# Altium PCB OBC Development Board.PcbDoc (part 3 of 3)
Units mil, origin at the board's own origin, x right, y up, seen from the top; angles counter-clockwise.
Board outline 3775.59 x 3550 mil, 6 copper layers (L1 Top Layer, L2 GND, L3 Signal, L4 Signal, L5 GND, L6 Bottom Layer), stack 61.638 mil thick; 189 components, 153 nets, 883 pads, 1126 vias.
Unrouted connection lines stored in the file: 1.
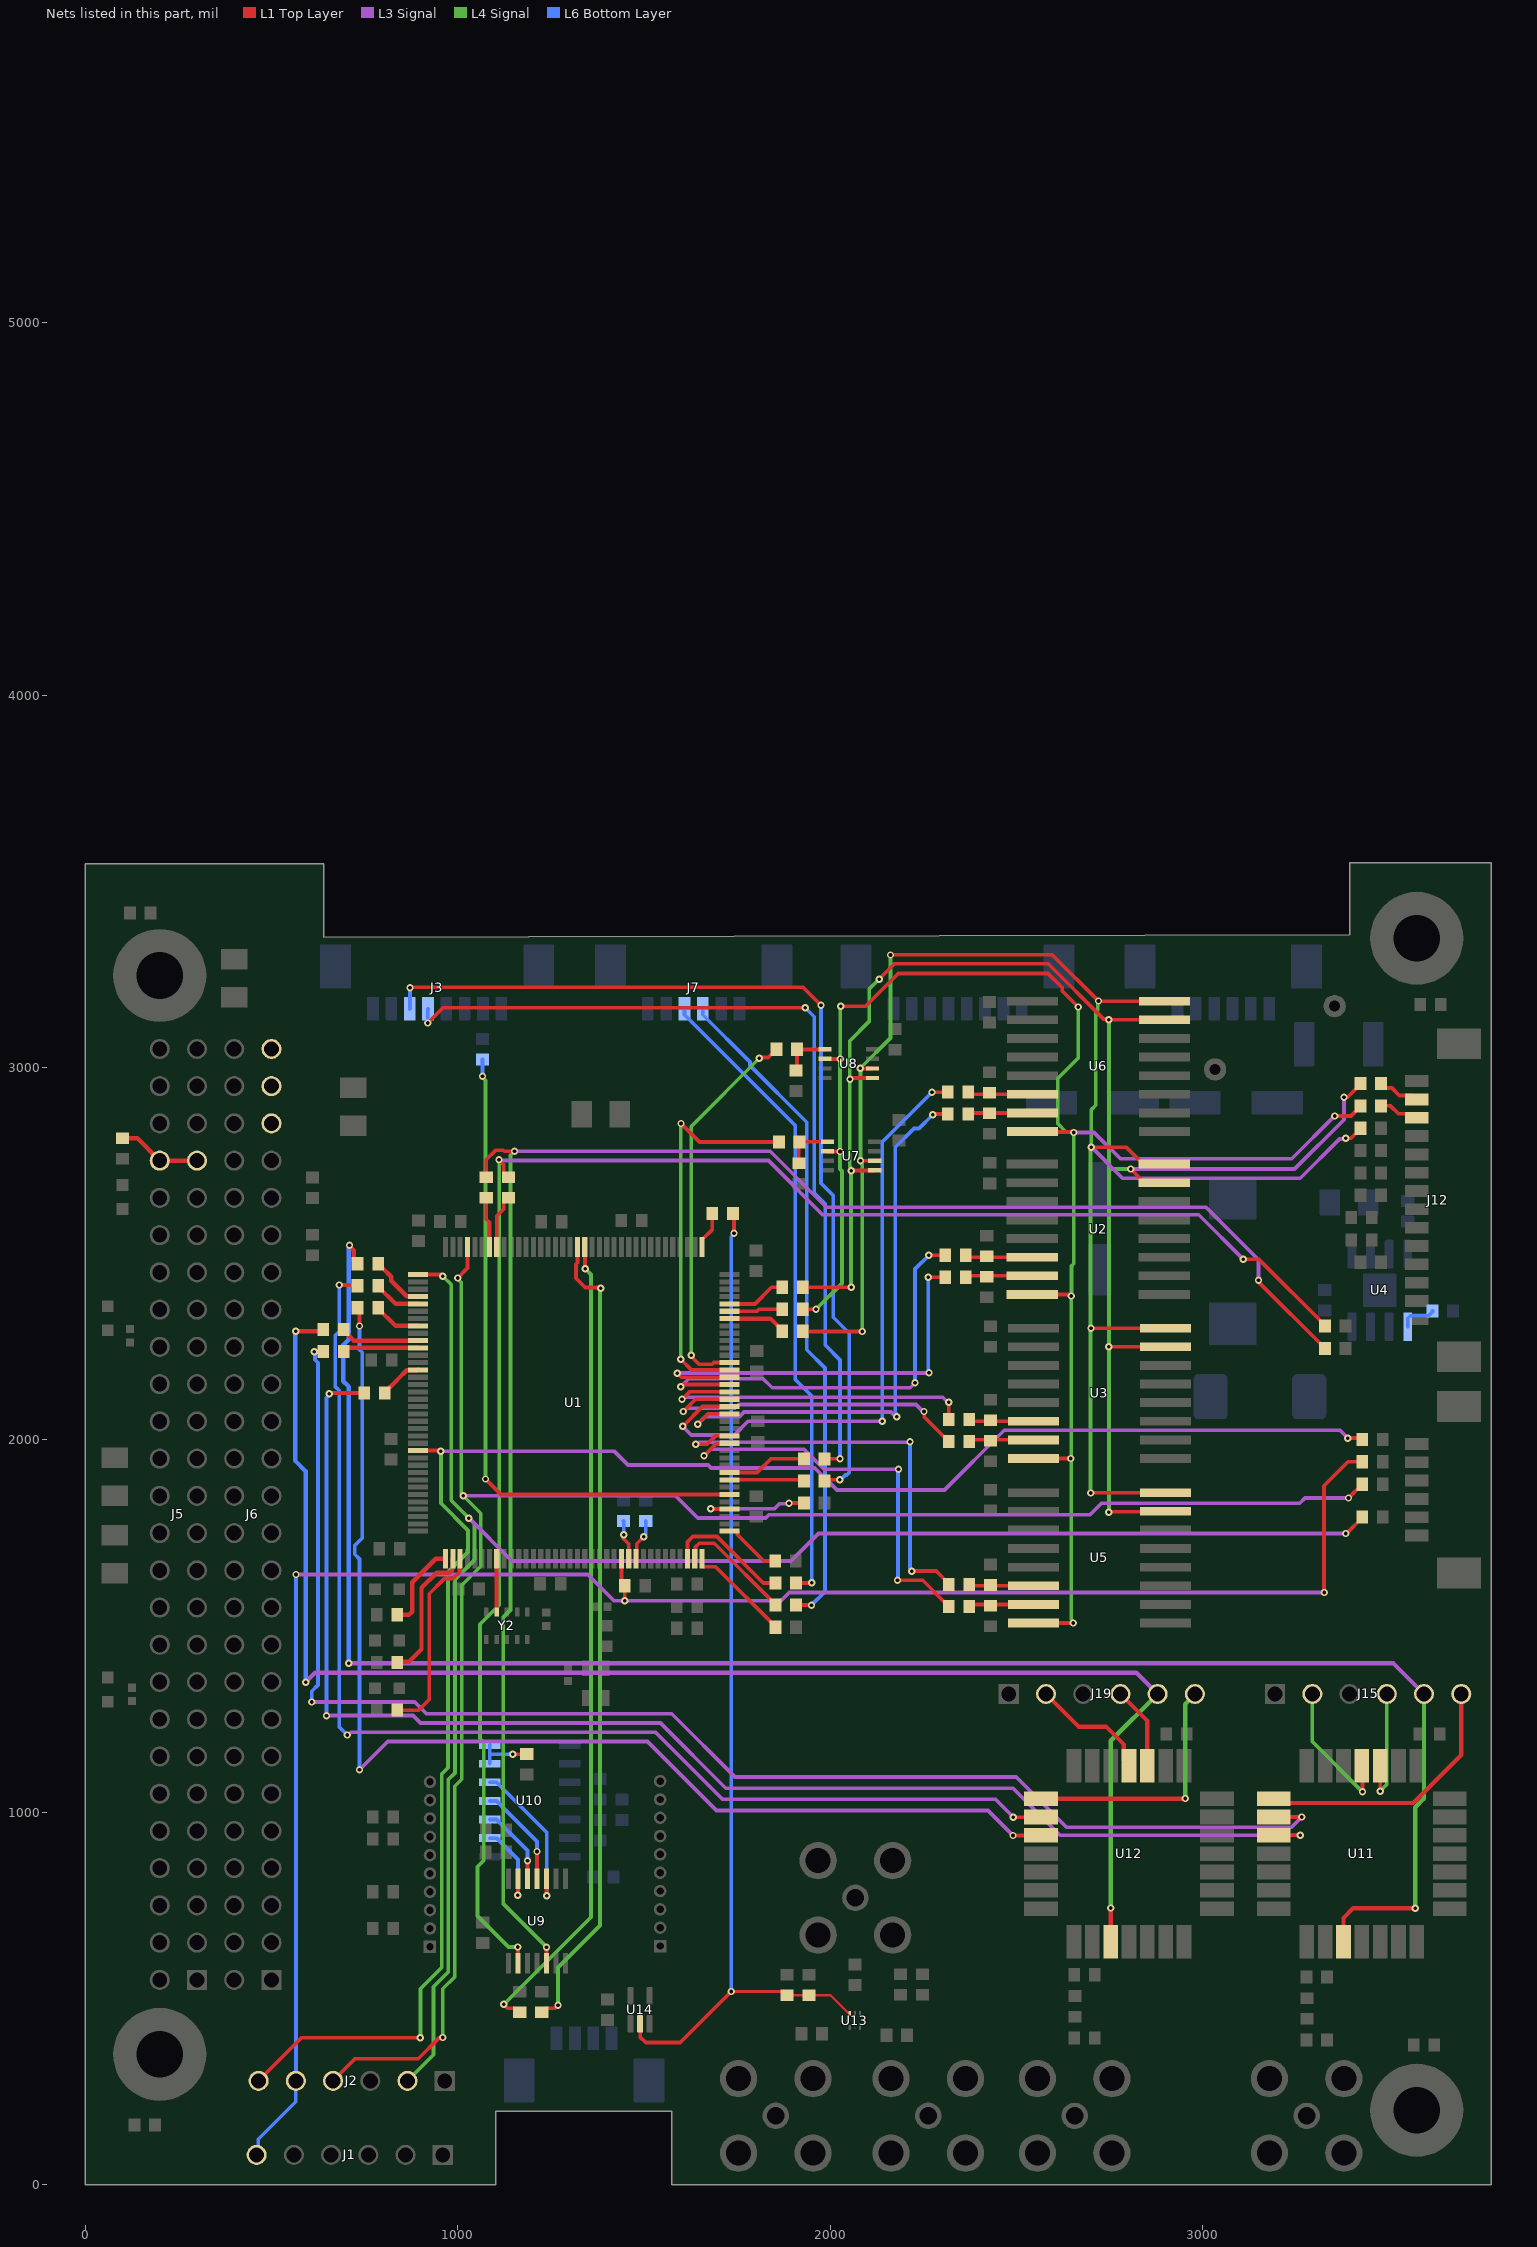
[diagram p7: the nets of this part, all layers, seen from the top]

## Via types
v1: diameter 19.68, hole 9.84, L1 Top Layer to L6 Bottom Layer, tented both sides, 1126 vias

## Nets (pads, with @x,y where several pads share a name; then routed paths per layer and width w, separated by ;. In a path a pad name is that pad's centre, name@x,y a point inside that pad or via, vN(x,y) a via of type N, cw(c..) or ccw(c..) an arc to the next point about the centre after c; other vN are vias at no path point) (continued)
NetJ12_12: J12.12 R34.1 | length 108.9
  L1 Top Layer w10: R34.1@3479.49,2897.17 3505.39,2897.17 3526.5,2876.06 3564.41,2876.06 J12.12@3575.16,2865.32
NetJ12_13: J12.13 R36.1 | length 114.2
  L1 Top Layer w10: R36.1@3479.49,2957.17 3479.49,2955.63 3490.24,2944.88 3508.86,2944.88 3528.46,2925.28 3564.41,2925.28 J12.13@3575.16,2914.53
NetR1_2: R1.2 U1.1 | length 238
  L1 Top Layer w11.81: R1.2@838.1,1530.44 869.44,1530.44 878,1539 878,1618 941.29,1681.29 U1.1@967.37,1681.29
NetR2_2: R2.2 U1.2 | length 377.4
  L1 Top Layer w11.81: R2.2@838.1,1404.46 869.46,1404.46 903,1438 903,1603 943.62,1643.62 978.59,1643.62 986.07,1651.1 986.07,1680.31 U1.2@987.06,1681.29
NetR3_2: R3.2 U1.3 | length 536.5
  L1 Top Layer w10: R3.2@847.16,1283.59 R3.2@838.1,1274.54 895.54,1274.54 924,1303 924,1587 964.72,1627.72 987.72,1627.72 1004.85,1644.85 1004.85,1679.4 U1.3@1006.74,1681.29
NetR9_2: R9.2 U1.68 | length 160.3
  L1 Top Layer w10: U1.68@1730.17,2365.35 1798.42,2365.35 1843.14,2410.07 R9.2@1871.94,2410.07
NetR10_2: R10.2 U1.67 | length 144
  L1 Top Layer w10: U1.67@1730.17,2345.66 1803.79,2345.66 1809.15,2351.02 R10.2@1871.94,2351.02
NetR12_2: R12.2 U1.66 | length 157
  L1 Top Layer w11.81: U1.66@1730.17,2325.98 1839.9,2325.98 1871.94,2293.93 R12.2@1871.94,2291.96
NetR13_1: R13.1 U1.49 | length 1102.5
  L1 Top Layer w10: v1(1661.42,1957.68) 1661.66,1957.68 1693.42,1989.44 1728.28,1989.44 U1.49@1730.17,1991.33 ; v1(2181.1,1623.03) 2249.06,1623.03 2306.34,1565.75 2308.31,1565.75 2319.06,1555 R13.1@2319.06,1553.03
  L3 Signal w10: v1(1661.42,1957.68) 1662.61,1957.68 1679.94,1975 1930.37,1975 1983.72,1921.65 v1(2184.06,1921.65)
  L6 Bottom Layer w10: v1(2181.1,1623.03) 2182.58,1624.51 2182.58,1920.18 v1(2184.06,1921.65)
NetR14_1: R14.1 U1.50 | length 1142.2
  L1 Top Layer w10: v1(1639.76,1988.35) 1669.45,1988.35 1692.12,2011.02 U1.50@1730.17,2011.02 ; v1(2219.49,1647.87) 2285.24,1647.87 2319.06,1614.06 R14.1@2319.06,1612.09
  L3 Signal w10: v1(1639.76,1988.35) 1642.38,1988.35 1647.64,1993.6 2213.09,1993.6 v1(2214.57,1995.08)
  L6 Bottom Layer w10: v1(2214.57,1995.08) 2214.57,1655.42 2219.49,1650.49 v1(2219.49,1647.87)
NetR15_1: R15.1 U1.53 | length 1553.7
  L1 Top Layer w10: v1(1645.03,2041.98) 1645.03,2042.66 1672.43,2070.07 U1.53@1730.17,2070.07 ; v1(2275.96,2873.56) 2277.46,2875.06 R15.1@2316.3,2875.06
  L3 Signal w10: v1(1645.03,2041.98) 1665.92,2062.87 1757.27,2062.87 1769.24,2074.84 2163.54,2074.84 2176.38,2062 v1(2179,2062)
  L6 Bottom Layer w10: v1(2179,2062) 2177.15,2063.85 2177.15,2070.7 2175.2,2072.65 2175.2,2786.12 2225.26,2836.18 2238.58,2836.18 v1(2275.96,2873.56)
NetR16_1: R16.1 U1.54 | length 1690.6
  L1 Top Layer w10: v1(1604.33,2036.42) 1657.67,2089.76 U1.54@1730.17,2089.76 ; v1(2273.62,2934.06) 2273.68,2934.12 R16.1@2316.3,2934.12
  L3 Signal w10: v1(1604.33,2036.42) 1627.56,2013.19 1743.19,2013.19 1780,2050 v1(2140,2050)
  L6 Bottom Layer w10: v1(2140,2050) 2140,2800.43 v1(2273.62,2934.06)
NetR17_1: R17.1 U1.55 | length 908.9
  L1 Top Layer w10: v1(1605.91,2076.38) 1638.97,2109.44 U1.55@1730.17,2109.44 ; v1(2252.43,2076.38) 2253.07,2075.74 2253.07,2061.89 2306.18,2008.78 2308.15,2008.78 2318.9,1998.03 R17.1@2318.9,1996.06
  L3 Signal w10: v1(1605.91,2076.38) 1607.99,2076.38 1616.61,2085 1745,2085 1755,2095 2231.19,2095 2249.81,2076.38 v1(2252.43,2076.38)
NetR18_2: R18.2 U1.26 | length 108.1
  L1 Top Layer w10: v1(1446.1,1745.79) 1445,1744.69 1445,1735 1459.5,1720.5 U1.26@1459.5,1681.29
  L6 Bottom Layer w10: R18.2@1445,1782.44 1446.1,1781.34 v1(1446.1,1745.79)
NetR21_2: R21.2 U1.27 | length 111.8
  L1 Top Layer w10: U1.27@1479.18,1681.29 1481.07,1683.18 1481.07,1721.07 v1(1500,1740)
  L6 Bottom Layer w10: v1(1500,1740) 1500,1742.62 1505,1747.62 R21.2@1505,1782.44
NetR22_1: R22.1 U1.60 | length 1047.4
  L1 Top Layer w10: v1(1627.13,2227.2) 1627.13,2224.58 1639.69,2212.02 1639.69,2211.69 1647.87,2203.5 1683.58,2203.5 1687.95,2207.87 U1.60@1730.17,2207.87 ; v1(1810,3025) 1811.85,3026.85 1833.94,3026.85 1843.58,3036.5 1845.55,3036.5 1856.3,3047.24 R22.1@1856.3,3049.21
  L4 Signal w10: v1(1627.13,2227.2) 1627.13,2842.13 v1(1810,3025)
NetR23_1: R23.1 U1.112 | length 151
  L1 Top Layer w11.81: R23.1@786.42,2473.43 786.42,2471.46 796.26,2461.61 798.23,2461.61 821.85,2437.99 821.85,2427.53 863.36,2386.02 892.57,2386.02 U1.112@893.55,2385.03
NetR24_1: R24.1 U1.59 | length 1060
  L1 Top Layer w10: v1(1599.4,2216.59) v1(1599.4,2216.59) 1627.76,2188.18 U1.59@1730.17,2188.18 ; v1(1600,2850) 1649.8,2800.2 R24.1@1863.19,2800.2
  L4 Signal w10: v1(1599.4,2216.59) 1599.4,2849.4 v1(1600,2850)
NetR25_2: R25.2 U1.34 | length 338.7
  L1 Top Layer w10: U1.34@1616.98,1681.29 1616.98,1726.23 1631.22,1740.47 1696.54,1740.47 1820.87,1616.14 R25.2@1853.35,1616.14
NetR26_1: R26.1 U1.58 | length 1124.6
  L1 Top Layer w10: v1(1589.57,2179.13) 1600.2,2168.5 U1.58@1730.17,2168.5 ; v1(2263.78,2437.01) R26.1@2309.06,2437.01
  L3 Signal w10: v1(1589.57,2179.13) 1590.55,2180.12 v1(2265.75,2180.12)
  L6 Bottom Layer w10: v1(2263.78,2437.01) 2263.78,2182.09 v1(2265.75,2180.12)
NetR27_1: R27.1 U1.57 | length 1188.6
  L1 Top Layer w10: v1(1599.02,2143.32) 1604.52,2148.81 U1.57@1730.17,2148.81 ; v1(2265.47,2496.06) R27.1@2309.06,2496.06
  L3 Signal w10: v1(1599.02,2143.32) 1620.39,2164.68 1820.31,2164.68 1844.58,2140.42 2215.22,2140.42 v1(2228.35,2153.54)
  L6 Bottom Layer w10: v1(2228.35,2153.54) 2228.35,2458.94 v1(2265.47,2496.06)
NetR28_1: R28.1 U1.56 | length 906.9
  L1 Top Layer w10: v1(1602.36,2109.25) 1622.24,2129.13 U1.56@1730.17,2129.13 ; R28.1@2318.9,2055.12 v1(2318.9,2101.38)
  L3 Signal w10: v1(1602.36,2109.25) 1604.98,2109.25 1610.73,2115 2302.65,2115 2316.28,2101.38 v1(2318.9,2101.38)
NetR29_2: R29.2 U1.35 | length 320.6
  L1 Top Layer w10: U1.35@1636.66,1681.29 1638.55,1683.18 1638.55,1712.37 1648.62,1722.44 1689.33,1722.44 1853.26,1558.51 R29.2@1853.26,1556.54
NetR30_1: R30.1 U1.42 | length 1802.3
  L1 Top Layer w10: v1(1075,1895) 1116.46,1853.54 U1.42@1730.17,1853.54
  L4 Signal w10: v1(1066.93,2976.93) 1066.93,2974.31 1075,2966.24 v1(1075,1895)
  L6 Bottom Layer w10: v1(1066.93,2976.93) R30.1@1066.93,3021.65
NetR31_2: R31.2 U1.36 | length 286
  L1 Top Layer w10: U1.36@1656.35,1681.29 1656.35,1661.61 1658.24,1659.72 1692.65,1659.72 1853.35,1499.02 R31.2@1853.35,1497.05
NetR37_1: R37.1 U1.37 | length 160.5
  L1 Top Layer w10: U1.37@1730.17,1755.11 1749.85,1755.11 1751.74,1753.22 1751.74,1745.51 1822.25,1675 R37.1@1853,1675
NetR39_2: R39.2 U1.40 | length 307.1
  L1 Top Layer w10: v1(1680,1815) 1680.42,1814.58 1729.75,1814.58 U1.40@1730.17,1814.17 ; v1(1890,1830) 1891,1831 R39.2@1930,1831
  L3 Signal w10: v1(1680,1815) 1851.12,1815 1865.16,1829.04 1889.04,1829.04 v1(1890,1830)
NetR40_1: R40.1 U1.113 | length 128.6
  L1 Top Layer w11.81: R40.1@786.42,2414.37 786.42,2412.4 833.47,2365.35 U1.113@893.55,2365.35
NetR43_1: R43.1 U1.90 | length 2187
  L1 Top Layer w10: R43.1@1225.8,462.83 1236.54,473.57 1259.99,473.57 1268.7,482.28 v1(1269.68,482.28) ; U1.90@1321.7,2517.91 1321.7,2475.8 1317.68,2471.78 1317.68,2434.29 1342.64,2409.33 1381.99,2409.33 v1(1383.84,2407.48)
  L4 Signal w10: v1(1269.68,482.28) 1269.68,583.69 1381.99,695.99 1381.99,2405.63 v1(1383.84,2407.48)
NetR46_1: R46.1 U1.89 | length 2189
  L1 Top Layer w10: v1(1124.02,484.25) 1134.69,473.57 1155.95,473.57 R46.1@1166.7,462.83 ; U1.89@1341.39,2517.91 1341.95,2517.34 1341.95,2460.21 v1(1342.52,2459.65)
  L4 Signal w10: v1(1124.02,484.25) 1358,718.24 1358,2444.17 v1(1342.52,2459.65)
NetR48_2: R48.2 U1.45 | length 215.3
  L1 Top Layer w10: U1.45@1730.17,1912.59 1804.02,1912.59 1840.69,1949.26 R48.2@1930.26,1949.26
NetR50_2: R50.2 U1.44 | length 201.2
  L1 Top Layer w10: U1.44@1730.17,1892.91 1927.56,1892.91 R50.2@1930.26,1890.2
NetR56_1: R56.1 U1.116 | length 128.6
  L1 Top Layer w11.81: R56.1@786.42,2355.32 786.42,2353.35 833.47,2306.29 U1.116@893.55,2306.29
NetR57_1: R57.1 U1.118 | length 213
  L1 Top Layer w11.81: R57.1@693.9,2296.26 693.9,2294.29 721.27,2266.92 U1.118@893.55,2266.92
NetR58_1: R58.1 U1.119 | length 203.9
  L1 Top Layer w11.81: R58.1@693.9,2237.2 693.9,2237.39 703.74,2247.24 U1.119@893.55,2247.24
NetR59_1: R59.1 U1.122 | length 116.3
  L1 Top Layer w11.81: R59.1@804.13,2125.98 804.13,2127.95 838.22,2162.04 863.36,2187.2 892.57,2187.2 U1.122@893.55,2188.18
NetR61_1: R61.1 U4.5 | length 98.8
  L6 Bottom Layer w10: U4.5@3551.38,2304.13 3551.38,2326.93 3558.19,2333.74 3607.36,2333.74 3618.11,2344.49 R61.1@3618.11,2346.46
NetR67_2: R67.2 U1.73 | length 101.8
  L1 Top Layer w10: U1.73@1656.35,2517.91 1656.35,2537.59 1684.06,2565.3 R67.2@1684.06,2608.27
NetR107_1: R107.1 U1.101 | length 146.8
  L1 Top Layer w10: U1.101@1105.17,2517.91 1105.17,2601.23 1123.49,2619.55 1123.49,2639.98 1134.24,2650.72 R107.1@1136.2,2650.72
NetR109_1: R109.1 U1.102 | length 136
  L1 Top Layer w10: R109.1@1077,2650.44 1077,2592.88 1085.48,2584.4 U1.102@1085.48,2517.91
NetR131_2: R131.2 U10.6 U10.7 | length 149.8
  L1 Top Layer w10: v1(1147.64,1155.74) 1184.46,1155.74 R131.2@1185.44,1156.72
  L6 Bottom Layer w10: U10.6@1086.07,1130.74 1086.07,1155.74 ; U10.7@1086.07,1180.74 1086.07,1155.74 ; v1(1147.64,1155.74) 1086.07,1155.74
NetU1_8: U1.8 Y2.4 | length 142.4
  L1 Top Layer w11.81: Y2.4@1104.44,1538.21 U1.8@1104.44,1680.57
NetU9_10: U9.10 U10.5 | length 425
  L1 Top Layer w10: U9.10@1238.59,821.09 1238.59,776.17 v1(1239.17,775.59)
  L6 Bottom Layer w10: U10.5@1086.07,1080.74 1104.32,1080.74 1239.17,945.88 v1(1239.17,775.59)
NetU9_11: U9.11 U10.4 | length 272.9
  L1 Top Layer w10: U9.11@1213,821.09 v1(1213,894.69)
  L6 Bottom Layer w10: U10.4@1086.07,1030.74 1104.32,1030.74 1213,922.06 v1(1213,894.69)
NetU9_12: U9.12 U10.3 | length 212.3
  L1 Top Layer w10: U9.12@1187.41,821.09 v1(1187.41,869.78)
  L6 Bottom Layer w10: U10.3@1086.07,980.74 1104.32,980.74 1187.41,897.65 v1(1187.41,869.78)
NetU9_13: U9.13 U10.2 | length 238.4
  L1 Top Layer w10: v1(1161.82,777.74) U9.13@1161.82,821.09
  L6 Bottom Layer w10: U10.2@1086.07,930.74 1104.32,930.74 1161.82,873.24 v1(1161.82,777.74)
NRST: C19.2 J1.06 J2.05 R52.1 U1.25 | length 4927.4
  L1 Top Layer w10: U1.25@1439.81,1681.29 1439.81,1626.19 C19.2@1450,1616 ; v1(1448.82,1568.25) C19.2@1448.82,1608.27 ; v1(3326.77,1590.55) 3326.77,1876.97 3391.14,1941.34 R52.1@3429.33,1941.34
  L3 Signal w10: v1(565.94,1638.78) 1349.41,1638.78 1420.28,1567.91 1867.91,1567.91 1890.55,1590.55 v1(3326.77,1590.55)
  L6 Bottom Layer w10: J1.06@460,80 464.49,84.49 464.49,121.97 565.35,222.83 J2.05@565.35,279.06 565.65,279.35 565.65,1638.48 v1(565.94,1638.78)
NRST_LORA_EU: J15.05 R23.2 U11.17 | length 4967.5
  L1 Top Layer w11.81: v1(709.65,2522.64) 709.65,2520.51 721.46,2508.7 721.46,2483.27 R23.2@731.3,2473.43 ; U11.17@3378.79,652.78 3378.79,716.39 3404.53,742.13 v1(3571.85,742.13)
  L3 Signal w11.81: v1(707.69,1400.75) 708.44,1400 3512.99,1400 J15.05@3595.08,1317.91
  L4 Signal w11.81: v1(3571.85,742.13) 3571.85,1013.77 3595.08,1037 J15.05@3595.08,1317.91
  L6 Bottom Layer w11.81: v1(707.69,1400.75) 707.68,2143.32 693,2158 693,2255 707.83,2269.83 707.83,2520.83 v1(709.65,2522.64)
NRST_LORA_US: J19.05 R57.2 U12.17 | length 4069.5
  L1 Top Layer w11.81: v1(565.16,2292.32) 634.84,2292.32 R57.2@638.78,2296.26 ; U12.17@2753.79,652.78 2754,652.99 v1(2754,743)
  L3 Signal w11.81: v1(591.69,1349.57) 617.13,1375 2822.83,1375 J19.05@2879.92,1317.91
  L4 Signal w11.81: v1(2754,743) 2754,1191.99 J19.05@2879.92,1317.91
  L6 Bottom Layer w11.81: v1(565.16,2292.32) 564.25,2291.42 564.25,1943.66 591.69,1916.22 v1(591.69,1349.57)
PS_OUT1: J6.47
PS_OUT2: J6.49
PS_OUT3: J6.51
SPI1_MISO: R10.1 R34.2 U2.8 U3.8 U5.8 U6.8 U7.2 U8.2 | length 4662.2
  L1 Top Layer w10: R10.1@1927.06,2351.02 v1(1962.36,2351.02) ; U8.2@1986.89,3023.23 v1(2027.49,3023.23) ; U7.2@1993.07,2775.2 1993.37,2774.9 2026.28,2774.9 v1(2026.57,2774.61) ; v1(2028.54,3164.37) 2094.37,3164.37 2182.95,3252.95 2585.63,3252.95 2623.82,3214.77 2623.82,3205.45 v1(2666.6,3162.66) ; U2.8@2543.15,2390.87 v1@2640.96,2390.87 ; U6.8@2543.77,2828.32 2545.04,2827.05 2653.26,2827.05 v1(2654.53,2825.79) ; U5.8@2546.41,1508.41 v1(2653.49,1508.41) ; U3.8@2546.41,1950.25 v1(2646.04,1950.25) ; v1(3355.01,2870.14) 3355.16,2870 3399.17,2870 3424.37,2895.2 R34.2@3424.37,2897.17
  L3 Signal w10: v1(2654.53,2825.79) 2709.21,2825.79 2780,2755 3240.16,2755 3355.01,2869.85 v1(3355.01,2870.14)
  L4 Signal w10: v1(1962.36,2351.02) 2031.84,2420.49 2031.84,2722.17 2026.57,2727.43 v1(2026.57,2774.61) 2027.03,2775.07 2027.03,3022.77 v1(2027.49,3023.23) 2027.49,3163.32 v1(2028.54,3164.37) ; v1(2646.04,1950.25) v1@2647.64,1951.85 ; v1(2653.49,1508.41) 2653.49,1511.03 2647.64,1516.89 v1@2647.64,1951.85 ; v1(2666.6,3162.66) 2666.6,3025.85 2611.22,2970.47 2611.22,2849.71 2633.29,2827.64 2652.67,2827.64 v1(2654.53,2825.79) 2654.53,2473.12 2648.39,2466.98 2648.39,2387.56 v1(2647.64,2386.81) v1@2647.64,1951.85
SPI1_MOSI: R9.1 R36.2 U2.15 U3.15 U5.15 U6.15 U7.5 U8.5 | length 4505
  L1 Top Layer w10: R9.1@1927.06,2410.07 1927.43,2410.43 v1(2057.09,2410.43) ; v1(2053.41,2968.98) 2053.92,2969.49 2056.54,2969.49 2059.1,2972.05 U8.5@2114.06,2972.05 ; v1(2056.66,2723.24) 2057.04,2723.63 2119.85,2723.63 U7.5@2120.24,2724.02 ; v1(2132.43,3237.57) 2173.41,3278.54 2585.86,3278.54 2734.08,3130.32 2740,3130.32 2740.14,3130.17 2746.99,3130.17 v1(2748.85,3128.32) U6.15@2898.1,3128.32 ; v1(2748.28,2250.25) U3.15@2900.74,2250.25 ; v1(2748.85,1805.49) 2750.31,1806.95 2899.28,1806.95 U5.15@2900.74,1808.41 ; v1(2807.55,2727.48) 2844.16,2690.87 U2.15@2897.48,2690.87 ; v1(3380,2920) 3389.17,2920 3424.37,2955.2 R36.2@3424.37,2957.17
  L3 Signal w10: v1(2807.55,2727.48) 3247.48,2727.48 3380,2860 v1(3380,2920)
  L4 Signal w10: v1@2056.3,2723.23 2056.3,2411.22 v1(2057.09,2410.43) ; v1(2056.66,2723.24) 2054.8,2725.1 2054.8,2731.45 2052.91,2733.34 2052.91,2968.98 2052.91,3071.31 2105,3123.4 2105,3210.13 v1(2132.43,3237.57) ; v1@2748.03,2250 v1(2748.28,2250.25) ; v1(2748.85,1805.49) v1@2748.85,2250 ; v1@2748.85,2250.25 2748.85,2359.38 2749.25,2359.79 2749.25,2380.37 2748.85,2380.77 2748.85,2724.41 ; v1(2748.85,3128.32) 2748.85,2724.41 ; v1(2807.55,2727.48) 2751.92,2727.48 2748.85,2724.41
SPI1_SCLK: R12.1 R32.1 U2.16 U3.16 U5.16 U6.16 U7.6 U8.6 | length 4828.9
  L1 Top Layer w10: R12.1@1927.06,2291.96 1927.69,2291.34 v1(2086.61,2291.34) ; v1(2081,2998) 2081.18,2997.82 2113.87,2997.82 U8.6@2114.06,2997.64 ; v1(2081.86,2750) 2082.06,2749.8 2120.04,2749.8 U7.6@2120.24,2749.61 ; v1(2162.4,3302.17) 2163.39,3303.15 2596.38,3303.15 v1(2720.92,3178.61) ; v1(2699.8,1857.76) 2700.13,1858.08 2900.41,1858.08 U5.16@2900.74,1858.41 ; v1(2700.84,2300.25) U3.16@2900.74,2300.25 ; v1(2701.77,2786.42) 2794.84,2786.42 2840.39,2740.87 U2.16@2897.48,2740.87 ; v1@2720.92,3178.32 U6.16@2898.1,3178.32 ; v1(3385,2810) 3399.17,2810 3424.37,2835.2 R32.1@3424.37,2837.17
  L3 Signal w10: v1(2701.77,2786.42) 2785.55,2702.64 3262.64,2702.64 3368.15,2808.15 3383.15,2808.15 v1(3385,2810)
  L4 Signal w10: v1@2078.74,2750 2078.74,2747.38 2086.61,2739.51 v1(2086.61,2291.34) ; v1(2081.86,2750) 2081.86,2997.14 v1(2081,2998) 2162.4,3079.4 v1(2162.4,3302.17) ; v1(2699.8,1857.76) 2699.57,1857.99 v1@2699.57,2298.98 ; v1(2700.84,2300.25) v1@2699.57,2298.98 ; v1(2720.92,3178.61) 2719.07,3176.75 2719.07,3154.08 2713.75,3148.76 2713.75,2899.09 2701.77,2887.11 v1(2701.77,2786.42) 2701.77,2783.8 2699.57,2781.59 v1@2699.57,2298.98
SPI_NCS_FLASH_0: R26.2 R117.2 U2.7 | length 180.6
  L1 Top Layer w10: R26.2@2364.17,2437.01 2368.03,2440.87 U2.7@2543.15,2440.87
SPI_NCS_FLASH_1: R27.2 R119.2 U2.6 | length 181.1
  L1 Top Layer w10: R27.2@2364.17,2496.06 2369.37,2490.87 U2.6@2543.15,2490.87
SPI_NCS_FLASH_2: R28.2 R120.1 U3.6 | length 174.4
  L1 Top Layer w10: R28.2@2374.02,2055.12 2378.88,2050.25 U3.6@2546.41,2050.25
SPI_NCS_FLASH_3: R17.2 R118.2 U3.7 | length 174.1
  L1 Top Layer w10: R17.2@2374.02,1996.06 2378.2,2000.25 U3.7@2546.41,2000.25
SPI_NCS_FLASH_4: R16.2 R127.1 U6.6 | length 174.8
  L1 Top Layer w10: R16.2@2371.42,2934.12 2377.21,2928.32 U6.6@2543.77,2928.32
SPI_NCS_FLASH_5: R15.2 R126.2 U6.7 | length 173.7
  L1 Top Layer w10: R15.2@2371.42,2875.06 2374.68,2878.32 U6.7@2543.77,2878.32
SPI_NCS_FLASH_6: R14.2 R125.1 U5.6 | length 173.8
  L1 Top Layer w10: R14.2@2374.17,1612.09 2377.85,1608.41 U5.6@2546.41,1608.41
SPI_NCS_FLASH_7: R13.2 R124.2 U5.7 | length 174.5
  L1 Top Layer w10: R13.2@2374.17,1553.03 2379.55,1558.41 U5.7@2546.41,1558.41
SPI_NCS_FRAM_0: R22.2 R129.2 U8.1 | length 133.9
  L1 Top Layer w10: R129.2@1908.46,2992.13 1911.42,2995.08 R22.2@1911.42,3049.21 1911.81,3048.82 U8.1@1986.89,3048.82
SPI_NCS_FRAM_1: R24.2 R128.2 U7.1 | length 132.9
  L1 Top Layer w10: R128.2@1916.34,2743.11 1916.34,2798.23 R24.2@1918.31,2800.2 1918.9,2800.79 U7.1@1993.07,2800.79
SWCLK: J2.02 R47.1 U1.109 | length 4835.7
  L1 Top Layer w10: U1.109@893.55,2444.09 955.91,2444.09 v1(960,2440) ; v1(3385,1748.98) 3386.97,1748.98 3429.33,1791.34 R47.1@3429.33,1793.31
  L3 Signal w10: v1(1030.14,1790.14) 1145.29,1675 1895,1675 1968.98,1748.98 v1(3385,1748.98)
  L4 Signal w10: J2.02@865.35,279.06 935.38,349.08 935.38,531.38 975,571 975,1088 992.64,1105.64 992.64,1625.64 1045,1678 1045,1775.29 982.52,1837.77 982.52,2417.35 960,2439.87 v1(960,2440)
"SWCLK _LORA_EU": J15.02 U11.4 | length 389.8
  L1 Top Layer w10: U11.4@3428,1125.22 3430,1123.22 v1(3430,1055)
  L4 Signal w10: J15.02@3295.08,1317.91 3295.08,1189.92 v1(3430,1055)
"SWCLK _LORA_US": J19.02 U12.4 | length 328.2
  L1 Top Layer w11.81: J19.02@2579.92,1317.91 2667.52,1230.32 2741.14,1230.32 2789.22,1182.24 2789.22,1139 U12.4@2803,1125.22
SWDIO: J2.04 R45.1 U1.105 | length 5022.2
  L1 Top Layer w10: J2.04@665.35,279.06 724.42,338.12 894.34,338.12 950,393.79 950,395 960,395 v1(960.22,395.22) ; v1(1000,2435) 1026.43,2461.43 U1.105@1026.43,2517.91 ; v1(3392.08,1844.09) R45.1@3429.33,1881.34
  L3 Signal w10: v1(1015,1850) 1585,1850 1644.84,1790.16 1827.02,1790.16 1835.71,1798.84 2697.24,1798.84 2728.73,1830.33 3261.37,1830.33 3275.12,1844.09 v1(3392.08,1844.09)
  L4 Signal w10: v1(960.22,395.22) 960,395.45 960,526 992,558 992,1070 1011,1089 1011,1609.79 1062,1660.79 1062,1803 v1(1015,1850) 1015,1852.62 1010,1857.62 1010,2422.38 1000,2432.38 v1(1000,2435)
SWDIO_LORA_EU: J15.04 U11.3 | length 348.1
  L1 Top Layer w10: v1(3477.21,1056.91) U11.3@3477.21,1125.22
  L1 Top Layer w11.81: J15.04@3495.08,1306.51 J15.04@3495.08,1317.91
  L4 Signal w10: v1(3477.21,1056.91) 3495.08,1074.77 J15.04@3495.08,1317.91
SWDIO_LORA_US: J19.04 U12.3 | length 222.6
  L1 Top Layer w11.81: J19.04@2779.92,1317.91 2852.21,1245.62 U12.3@2852.21,1125.22
SWO: J2.06 R51.1 U1.133 | length 4808.7
  L1 Top Layer w10: J2.06@465.35,279.06 581.3,395 v1(900,395) ; U1.133@893.55,1971.65 953.35,1971.65 v1(955,1970) ; v1(3390,2005) 3425.67,2005 R51.1@3429.33,2001.34
  L3 Signal w10: v1(955,1970) 1420.13,1970 1457.3,1932.83 1672.83,1932.83 1680.67,1925 1959.16,1925 2018.8,1865.36 2307.38,1865.36 2467.84,2025.83 3369.17,2025.83 v1(3390,2005)
  L4 Signal w10: J2.06@465.35,279.06 J2.06@465.35,290.35 ; v1(900,395) 900,526.21 957.33,583.54 957.33,1103.33 974,1120 974,1645.21 1028.03,1699.24 1028.03,1757.13 955,1830.16 v1(955,1970)
SWO_LORA_EU: J15.06 U11.8 | length 725.4
  L1 Top Layer w11.81: U11.8@3191.78,1036.64 3203.42,1025 3565.9,1025 3695.08,1154.18 J15.06@3695.08,1317.91
SWO_LORA_US: J19.06 U12.8 | length 678.6
  L1 Top Layer w11.81: U12.8@2566.78,1036.64 2952.98,1036.64 v1(2953.74,1037.4)
  L4 Signal w11.81: v1(2953.74,1037.4) 2953.74,1290.68 2979.92,1316.87 J19.06@2979.92,1317.91
UART2_RX: R59.2 U11.10 | length 3781.2
  L1 Top Layer w10: v1(655.51,2124.02) 657.48,2125.98 R59.2@749.02,2125.98 ; U11.10@3191.78,938.21 v1(3262.8,938.21)
  L3 Signal w10: v1(647.64,1259.84) 880.36,1259.84 900.2,1240 1545,1240 1720,1065 2491.1,1065 2617.89,938.21 v1(3262.8,938.21)
  L6 Bottom Layer w10: v1(647.64,1259.84) 647.64,2113.52 655.51,2121.39 v1(655.51,2124.02)
UART2_TX: R58.2 U11.9 | length 3859.6
  L1 Top Layer w10: v1(614.84,2237.2) R58.2@638.78,2237.2 ; U11.9@3191.78,987.43 v1(3266.51,987.43)
  L3 Signal w10: v1(608.27,1296.26) 884.84,1296.26 916.1,1265 1575,1265 1745,1095 2500,1095 2635,960 3239.09,960 v1(3266.51,987.43)
  L6 Bottom Layer w10: v1(608.27,1296.26) 608.27,1325.23 625,1341.97 625,2207.36 616.7,2215.67 616.7,2235.35 v1(614.84,2237.2)
UART4_RX: J7.4 R29.1 | length 1793.5
  L1 Top Layer w10: R29.1@1908.38,1556.54 v1(1950.35,1556.54)
  L6 Bottom Layer w10: J7.4@1658.46,3157.48 1658.46,3141.73 1785.16,3015.04 1785.16,3005.71 1937.52,2853.35 1937.52,2242.11 1986.22,2193.41 1986.22,1592.42 v1(1950.35,1556.54)
UART4_TX: J7.3 R25.1 | length 1725.1
  L1 Top Layer w10: R25.1@1908.46,1616.14 v1(1950.79,1616.14)
  L6 Bottom Layer w10: J7.3@1609.25,3157.48 1609.25,3141.73 1906.5,2844.49 1906.5,2162.4 1950.79,2118.11 v1(1950.79,1616.14)
UART5_RX: R56.2 U12.10 | length 3226.2
  L1 Top Layer w10: R56.2@731.3,2355.32 736.22,2350.39 v1(736.22,2305.91) ; v1(2491.14,937.99) 2566.56,937.99 U12.10@2566.78,938.21
  L3 Signal w10: v1(736.22,1114.17) 812.05,1190 1509.8,1190 1694.8,1005 2424.13,1005 v1(2491.14,937.99)
  L6 Bottom Layer w10: v1(736.22,1114.17) 736.22,1680.42 723.58,1693.06 723.58,1716.39 743.59,1736.4 743.59,2235.82 736.22,2243.19 v1(736.22,2305.91)
UART5_TX: R40.2 U12.9 | length 3237.4
  L1 Top Layer w10: v1(682.09,2416.34) 729.33,2416.34 R40.2@731.3,2414.37 ; v1(2492.13,987.2) 2566.56,987.2 U12.9@2566.78,987.43
  L3 Signal w10: v1(703.74,1207.68) 706.36,1207.68 713.68,1215 1531.06,1215 1711.06,1035 2444.33,1035 v1(2492.13,987.2)
  L6 Bottom Layer w10: v1(682.09,2416.34) 682.09,2290.97 671,2279.88 671,2143.66 682.09,2132.57 682.09,1229.33 v1(703.74,1207.68)
UHF_CTL: C43.1 R65.1 R67.1 U13.6 U14.2 | length 2776.2
  L1 Top Layer w6: C43.1@1943.9,508.86 2000.98,508.86 2050.2,459.65
  L1 Top Layer w7: v1(1735,519) 1874.7,519 R65.1@1884.84,508.86 C43.1@1943.9,508.86
  L1 Top Layer w10: U14.2@1490,432 1490,397 1505,382 1598,382 v1(1735,519) ; R67.1@1739.17,2608.27 1742.13,2605.32 v1(1742.13,2555.42)
  L6 Bottom Layer w10: v1(1735,519) 1735,2545.67 1742.13,2552.8 v1(1742.13,2555.42)
USART1_RX: R33.1 R109.2 U9.5 | length 4806
  L1 Top Layer w10: R109.2@1077,2705.56 1077,2753.18 1101.49,2777.67 1122.72,2777.67 1125.08,2775.32 v1(1152.56,2775.32) ; U9.5@1238.59,594.72 v1(1238.59,638.08) ; v1(3150.77,2429.23) 3150.77,2424.15 R33.1@3328.9,2246.02
  L3 Signal w10: v1(1152.56,2775.32) 1839.69,2775.32 1990,2625 3010,2625 3150.77,2484.23 v1(3150.77,2429.23)
  L4 Signal w10: v1(1152.56,2775.32) 1152.56,2775.17 1142,2764.61 1142,1543.57 1122.8,1524.37 1122.8,753.88 v1(1238.59,638.08)
USART1_TX: R35.1 R107.2 U9.2 | length 4711.7
  L1 Top Layer w10: v1(1111.11,2752.15) 1123.49,2739.77 1123.49,2716.59 1134.24,2705.84 R107.2@1136.2,2705.84 ; U9.2@1161.82,594.72 v1(1161.82,638.29) ; v1(3110,2485) 3151.89,2485 3328.9,2307.99 R35.1@3328.9,2306.02
  L3 Signal w10: v1(1111.11,2752.15) 1112.79,2750.47 1834.53,2750.47 1980,2605 2990,2605 v1(3110,2485)
  L4 Signal w10: v1(1111.11,2752.15) 1111.58,2751.68 1111.58,1556.58 1060,1505 1060,1197.53 1070,1187.53 1070,870.75 1053.15,853.9 1053.15,721.46 1136.32,638.29 v1(1161.82,638.29)
USART3_RX: J3.4 R48.1 | length 2359.8
  L1 Top Layer w10: v1(919.87,3119.84) 960.46,3160.43 v1(1933.73,3160.43) ; R48.1@1985.38,1949.26 v1(2026.89,1949.26)
  L6 Bottom Layer w10: v1(919.87,3119.84) 919.87,3157.07 J3.4@920.28,3157.48 ; v1(1933.73,3160.43) 1957.68,3136.48 1957.68,2663.39 1987.2,2633.86 1987.2,2254.8 2026.89,2215.11 v1(2026.89,1949.26)
USART3_TX: J3.3 R50.1 | length 2543.4
  L1 Top Layer w10: v1(872.05,3214.57) 873.27,3215.79 1927.17,3215.79 v1(1975.63,3167.32) ; R50.1@1985.38,1890.2 1988.32,1893.15 v1(2026.15,1893.15)
  L6 Bottom Layer w10: J3.3@871.06,3157.48 872.05,3158.46 v1(872.05,3214.57) ; v1(1975.63,3167.32) 1975.63,2689.51 2008.86,2656.28 2008.86,2329.72 2051.73,2286.85 2051.73,1912.85 2044.66,1905.78 2041.4,1905.78 2028.77,1893.15 v1(2026.15,1893.15)
V_BAT: J5.45 J5.46 R136.2 | length 224.9
  L1 Top Layer w11.81: R136.2@100,2810 140,2810 J5.46@200,2750 J5.45@300,2750
pads on no net: J1.03 J1.04 J3.1 J3.2 J3.5 J3.6 J3.8 J5.01 J5.02 J5.03 J5.04 J5.05 J5.06 J5.07 J5.08 J5.09 J5.10 J5.11 J5.12 J5.13 J5.14 J5.15 J5.16 J5.17 J5.18 J5.19 J5.20 J5.21 J5.22 J5.23 J5.24 J5.33 J5.34 J5.35 J5.36 J5.37 J5.38 J5.39 J5.40 J5.41 J5.42 J5.43 J5.44 J5.47 J5.48 J5.49 J5.50 J5.51 J5.52 J6.01 J6.02 J6.03 J6.04 J6.05 J6.06 J6.07 J6.08 J6.09 J6.10 J6.11 J6.12 J6.13 J6.14 J6.15 J6.16 J6.17 J6.18 J6.19 J6.20 J6.21 J6.22 J6.23 J6.24 J6.25 J6.26 J6.27 J6.28 J6.29 J6.30 J6.31 J6.32 J6.33 J6.34 J6.35 J6.36 J6.37 J6.38 J6.39 J6.40 J6.42 J6.44 J6.45 J6.46 J7.5 J8.6 J8.8 J10.2 J10.10 J13.10 U1.4 U1.5 U1.7 U1.9 U1.12 U1.13 U1.14 U1.15 U1.18 U1.19 U1.20 U1.21 U1.22 U1.24 U1.28 U1.29 U1.41 U1.43 U1.46 U1.47 U1.48 U1.63 U1.64 U1.65 U1.69 U1.70 U1.74 U1.75 U1.76 U1.77 U1.78 U1.79 U1.80 U1.81 U1.82 U1.85 U1.86 U1.87 U1.88 U1.91 U1.96 U1.97 U1.98 U1.99 U1.100 U1.103 U1.104 U1.110 U1.111 U1.114 U1.115 U1.117 U1.123 U1.124 U1.125 U1.126 U1.127 U1.132 U1.134 U1.135 U1.136 U1.137 U1.139 U1.140 U1.141 U1.142 U2.1 U2.3 U2.4 U2.5 U2.9 U2.11 U2.12 U2.13 U2.14 U3.1 U3.3 U3.4 U3.5 U3.9 U3.11 U3.12 U3.13 U3.14 U5.1 U5.3 U5.4 U5.5 U5.9 U5.11 U5.12 U5.13 U5.14 U6.1 U6.3 U6.4 U6.5 U6.9 U6.11 U6.12 U6.13 U6.14 U7.3 U7.7 U8.3 U8.7 U9.6 U9.9 U10.1 U10.8 U10.13 U11.5 U11.6 U11.7 U11.11 U11.12 U11.13 U11.18 U11.19 U11.20 U11.21 U11.23 U11.24 U11.25 U11.26 U11.27 U11.28 U12.5 U12.6 U12.7 U12.11 U12.12 U12.13 U12.18 U12.19 U12.20 U12.21 U12.23 U12.24 U12.25 U12.26 U12.27 U12.28 U14.1 Y1.1 Y2.6 Y2.10
copper on no net:
  other v1: 1356,451

## Polygon pours and split planes (outlines as drawn)
NetC24_1 on L6 Bottom Layer "boom_sw" (solid, pour order 1): 3421.26,2354.33 3421.26,2059.06 3397.64,2035.43 3192.91,2035.43 3149.61,2078.74 3149.61,2196.85 3125.98,2220.47 3000,2220.47 2988.19,2232.28 2988.19,2401.57 3236.22,2401.57 3263.78,2374.02 3401.57,2374.02
GND on L6 Bottom Layer "Bottom GND" (solid, remove dead copper, pour order 9): 0,0 0,3547.24 639.76,3547.24 639.76,3350.39 3395.67,3356.3 3395.67,3550 3775.59,3550 3775.59,590.55 3775.59,0 1574.8,0 1574.8,196.85 1102.36,196.85 1102.36,0
BURN_POS on L6 Bottom Layer "Boom_out" (solid, pour order 3): 3161.42,2570.87 2614.17,2570.87 2614.17,2740.16 2704.72,2830.71 2704.72,2933.07 2893.7,3122.05 2893.7,3204.72 2905.51,3216.54 3055.12,3216.54 3055.12,2984.25 3086.61,2952.76 3086.61,2814.96 3161.42,2740.16
+12_BOOM on L6 Bottom Layer "NONET_L-01_P-001" (solid, pour order 4): 2140,3110 2245,3110 2245,3200 2275,3230 2275,3240 2175,3240 2140,3205
3V3 on L3 Signal "L3 3V3" (solid, remove dead copper, pour order 6): 0,0 0,3547.24 639.76,3547.24 639.76,3350.39 3395.67,3356.3 3395.67,3550 3775.59,3550 3775.59,590.55 3775.59,0 1574.8,0 1574.8,196.85 1102.36,196.85 1102.36,0
3V3_CAM on L3 Signal "NONET_L-01_P-001" (solid, pour order 2): 350,2800 350,2900 1550,2900 1550,2800
3V3_ANT_DEPLOY on L3 Signal "NONET_L-01_P-001" (solid, pour order 5): 350,2900 350,3000 825,3000 825,2900
GND on L1 Top Layer "Top GND" (solid, remove dead copper, pour order 0): 0,0 0,3547.24 639.76,3547.24 639.76,3350.39 3395.67,3356.3 3395.67,3550 3775.59,3550 3775.59,590.55 3775.59,0 1574.8,0 1574.8,196.85 1102.36,196.85 1102.36,0
5V on L4 Signal "L4 5V" (solid, remove dead copper, pour order 8): 0,0 0,3547.24 639.76,3547.24 639.76,3350.39 3395.67,3356.3 3395.67,3550 3775.59,3550 3775.59,590.55 3775.59,0 1574.8,0 1574.8,196.85 1102.36,196.85 1102.36,0
GND on L5 GND (split plane): 3755.49,590.55 3755.49,20.1 1594.9,20.1 1594.9,196.85 1594.51,200.77 1593.37,204.54 1591.51,208.02 1589.01,211.06 1585.97,213.56 1582.49,215.42 1578.72,216.56 1574.8,216.95 1102.36,216.95 1098.44,216.56 1094.67,215.42 1091.2,213.56 1088.15,211.06 1085.65,208.02 1083.8,204.54 1082.65,200.77 1082.27,196.85 1082.27,20.1 20.1,20.1 20.1,3527.15 619.67,3527.15 619.67,3350.39 619.67,3350.37 619.67,3350.35 619.86,3348.39 620.05,3346.47 620.06,3346.45 620.06,3346.43 620.64,3344.55 621.2,3342.7 621.21,3342.68 621.21,3342.66 622.14,3340.94 623.05,3339.23 623.07,3339.21 623.08,3339.19 624.31,3337.7 625.55,3336.18 625.57,3336.17 625.58,3336.15 627.09,3334.92 628.6,3333.68 628.62,3333.67 628.63,3333.66 630.35,3332.75 632.07,3331.83 632.09,3331.82 632.11,3331.81 633.98,3331.25 635.84,3330.68 635.86,3330.68 635.89,3330.67 637.85,3330.49 639.76,3330.3 639.79,3330.3 639.81,3330.3 3395.71,3336.2 3397.67,3336.4 3399.59,3336.59 3399.61,3336.59 3399.63,3336.6 3401.5,3337.17 3403.36,3337.73 3403.38,3337.74 3403.4,3337.75 3405.11,3338.67 3406.83,3339.59 3406.85,3339.6 3406.87,3339.61 3408.37,3340.85 3409.88,3342.09 3409.89,3342.11 3409.91,3342.12 3411.14,3343.63 3412.38,3345.13 3412.39,3345.15 3412.4,3345.17 3413.32,3346.89 3414.24,3348.61 3414.24,3348.63 3414.25,3348.65 3414.81,3350.5 3415.38,3352.38 3415.38,3352.4 3415.39,3352.42 3415.57,3354.33 3415.77,3356.3 3415.77,3529.9 3755.49,3529.9
GND on L2 GND (split plane): 3755.49,590.55 3755.49,20.1 1594.9,20.1 1594.9,196.85 1594.51,200.77 1593.37,204.54 1591.51,208.02 1589.01,211.06 1585.97,213.56 1582.49,215.42 1578.72,216.56 1574.8,216.95 1102.36,216.95 1098.44,216.56 1094.67,215.42 1091.2,213.56 1088.15,211.06 1085.65,208.02 1083.8,204.54 1082.65,200.77 1082.27,196.85 1082.27,20.1 20.1,20.1 20.1,3527.15 619.67,3527.15 619.67,3350.39 619.67,3350.37 619.67,3350.35 619.86,3348.39 620.05,3346.47 620.06,3346.45 620.06,3346.43 620.64,3344.55 621.2,3342.7 621.21,3342.68 621.21,3342.66 622.14,3340.94 623.05,3339.23 623.07,3339.21 623.08,3339.19 624.31,3337.7 625.55,3336.18 625.57,3336.17 625.58,3336.15 627.09,3334.92 628.6,3333.68 628.62,3333.67 628.63,3333.66 630.35,3332.75 632.07,3331.83 632.09,3331.82 632.11,3331.81 633.98,3331.25 635.84,3330.68 635.86,3330.68 635.89,3330.67 637.85,3330.49 639.76,3330.3 639.79,3330.3 639.81,3330.3 3395.71,3336.2 3397.67,3336.4 3399.59,3336.59 3399.61,3336.59 3399.63,3336.6 3401.5,3337.17 3403.36,3337.73 3403.38,3337.74 3403.4,3337.75 3405.11,3338.67 3406.83,3339.59 3406.85,3339.6 3406.87,3339.61 3408.37,3340.85 3409.88,3342.09 3409.89,3342.11 3409.91,3342.12 3411.14,3343.63 3412.38,3345.13 3412.39,3345.15 3412.4,3345.17 3413.32,3346.89 3414.24,3348.61 3414.24,3348.63 3414.25,3348.65 3414.81,3350.5 3415.38,3352.38 3415.38,3352.4 3415.39,3352.42 3415.57,3354.33 3415.77,3356.3 3415.77,3529.9 3755.49,3529.9

## Other copper
L6 Bottom Layer:
  region: 3095,5697
  region: 3095,5697
  region: 3095,5697
  region: 3095,5697
  region: 3095,5697
  region: 3095,5697
  region: 3095,5697
  region: 3095,5697
  region: 3095,5697
  region: 3095,5697
  region: 3095,5697
  region: 3095,5697
  region: 3095,5697
  region: 3095,5697
  region: 3095,5697
  region: 3095,5697
  region: 3095,5697
  region: 3095,5697
  region: 3095,5697
  region: 3095,5697
  region: 3095,5697
  region: 3095,5697
  region: 3095,5697
  region: 3095,5697

## Silkscreen, mask and mechanical layers (free items; w line width, h text height)
Top Overlay:
  drawing of 23 lines, arcs and shapes, not listed
  text "H1" at 488,3125 h60
  text "H2" at 37,3046 h60
  text "Umbilical" at 3090,3015 h60
  text "VBAT" at 59,2622 h40 r90
  text "3V3" at 140,2339 h40 r90
  text "SWD" at 3375,2060 h60
  text "LED1" at 597,1578 h40
  text "LED2" at 593,1445 h40
  text "5V" at 145,1377 h40 r90
  text "LED3" at 597,1320 h40
  text "CTS-SAT-1 OBC" at 1651,1083 h60
  text "REV 1.2." at 1660,970 h60
  text "COMS" at 1895,670 h60 r90
  text "SWD" at 613,346 h60
  text "NRST" at 396,146 h60
  text "BOOT" at 832,145 h60
  text "US ANT" at 2893,36 h60 r90
  text "ANT2" at 1679,34 h60 r90
  text "EU ANT" at 3103,32 h60 r90
  text "ANT1" at 2102,31 h60 r90
Bottom Overlay:
  lines w8: 3384,3229 3359,3254 ; 3385,3280 3359,3254 ; 3743,3094 3661,3094 3580,3094 3420,3254 3379,3254 3359,3254
  lines w10: 616.5,30.79 617.48,182.36 ; 804.49,29.8 805.38,184.01
  text "GPS" at 988,3026 h60
  text "Camera" at 1753,3002 h60
  text "Boom PWR" at 2380,2635 h60 r270
  text "Boom Deploy" at 3689.99,2441 h60 r270
  text "MPI" at 1653,779 h60 r270
  text "Antenna" at 802,655 h60 r270
  text "SWD" at 791,346 h60
Mechanical 1:
  lines w8: 0,0 1102.36,0 1102.36,196.85 1574.8,196.85 1574.8,0 3775.59,0
  lines w10: 0,0 0,3547.24 639.76,3547.24 639.76,3350.39 3326.77,3356.15 3326.77,3550 3775.59,3550 3775.59,590.55 3775.59,0

## Text inside footprints (layer, text, board x,y; h text height)
D1: Top Overlay "K" at 885.44,1585.65 h40
D2: Top Overlay "K" at 885.44,1447.86 h40
D3: Top Overlay "K" at 76,2398 h40 r90
D4: Top Overlay "K" at 80,1408 h40 r90
D5: Top Overlay "K" at 118,2556 h40 r90
D6: Top Overlay "K" at 885.44,1319.91 h40
U10: Mechanical 13 "*" at 1117.32,911.74 h50 r180